# KiCad board TERES_PCB1-A64-MAIN_Rev.B.kicad_pcb (continued)
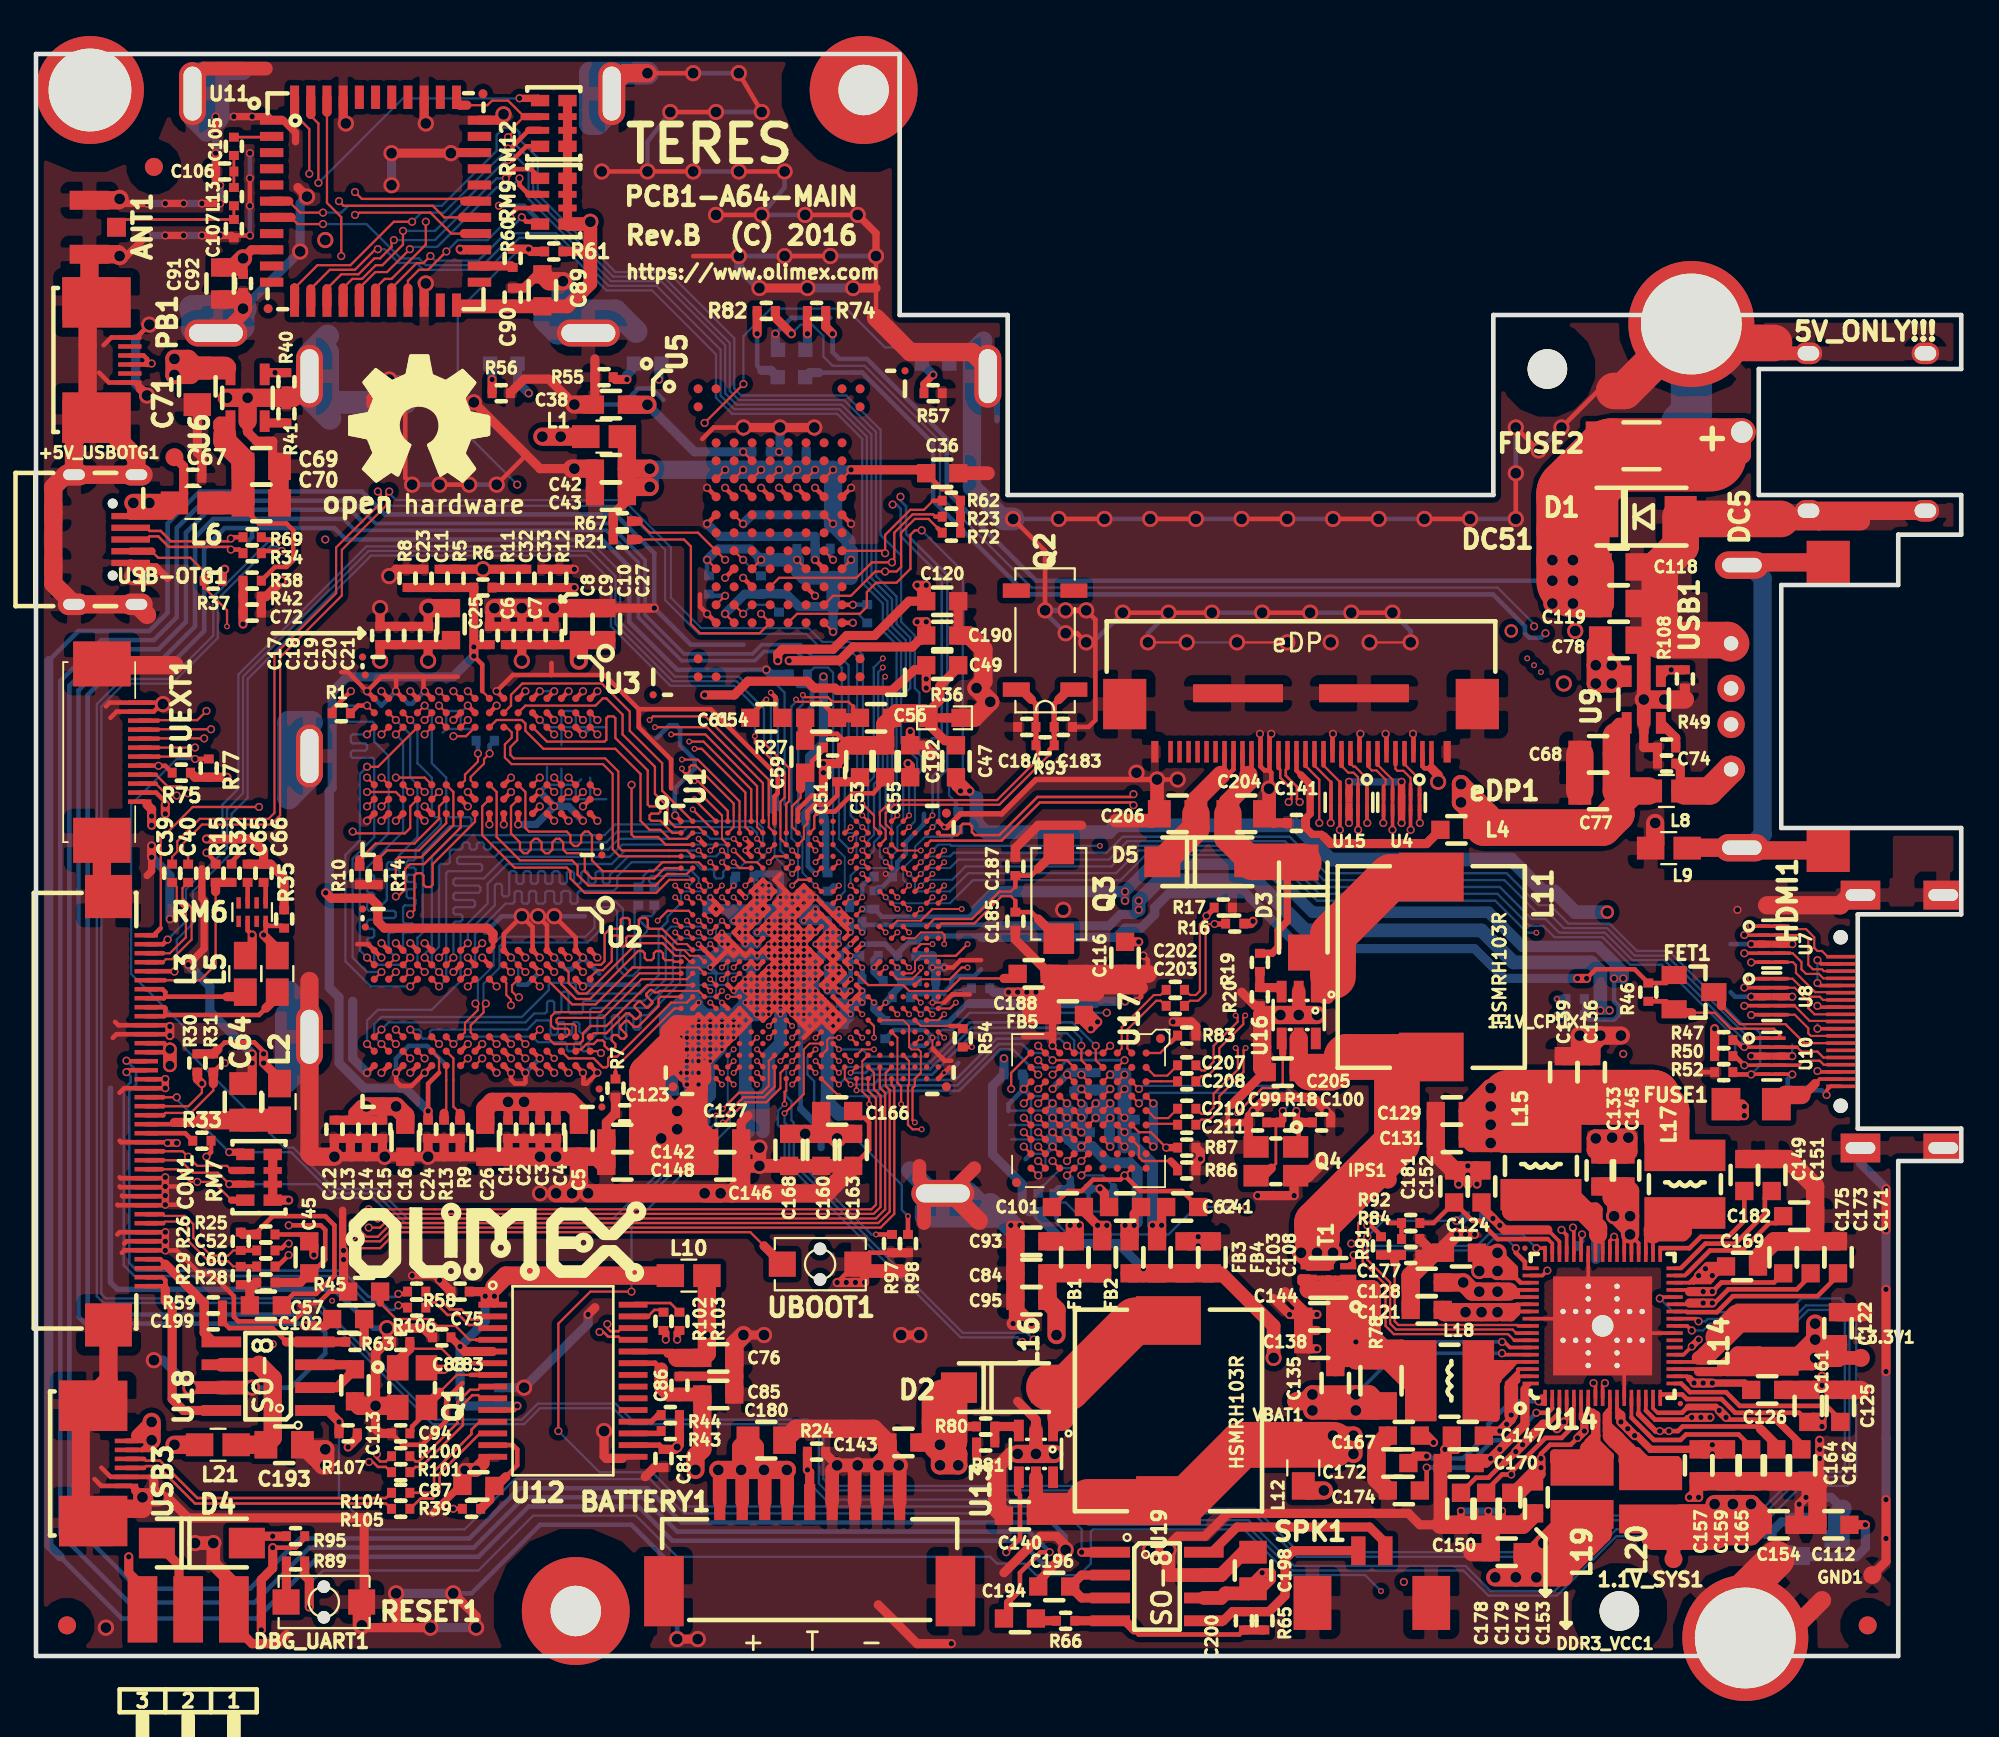
[diagram p0: board, top side]
## Routing (per net, layer and track width the routed paths; a pad name or vN(x,y) marks a point on that pad's centre or on a via; arc(x,y) is an arc through that point) (continued)
/NAND Flash , eMMC, T-Card and Audio/MICIN2_N: length 69.4
  Top w0.119: C40.1 8.46,44.41 8.17,44.69 8.17,45.13 9.23,46.19 13.06,46.19 13.57,46.71 13.57,55.48 17,58.91 17,61.45 19.48,63.93 19.48,64.54 v2(19.63,64.69)
  Top w0.127: U1.A17 v4(45.93,46.7)
  Bottom w0.107: 45.6,47.02 45.6,47.73
  Bottom w0.119: v2(19.63,64.69) 19.63,64.6 20.02,64.22 32.65,64.22 35.29,61.58 35.29,58.79 36.97,57.11 42.94,57.11 43.71,56.34 45.23,56.34 45.95,55.62 45.95,49.13 45.83,49.01 45.83,48.3 45.97,48.16 45.97,47.96 45.82,47.8 45.67,47.8 45.6,47.73
  Bottom w0.127: v4(45.93,46.7) 45.6,47.02
/NAND Flash , eMMC, T-Card and Audio/MICIN2_P: length 70.2
  Top w0.119: v2(19,64.69) 19.16,64.54 19.16,64.06 16.68,61.58 16.68,59.04 13.25,55.62 13.25,46.84 12.92,46.51 9.1,46.51 7.85,45.27 7.85,44.69 7.57,44.41 C39.1
  Top w0.127: U1.B17 v4(45.93,46.05)
  Bottom w0.119: v2(19,64.69) 19,64.66 19.76,63.9 32.52,63.9 34.97,61.45 34.97,58.66 36.84,56.79 42.81,56.79 43.57,56.02 45.1,56.02 45.64,55.48 45.64,49.27 45.51,49.14 45.51,48.4 45.28,48.16 45.28,47.67
  Bottom w0.127: v4(45.93,46.05) 45.28,46.7 45.28,47.67
/NAND Flash , eMMC, T-Card and Audio/SDC0-CLK: length 57.9
  Top w0.127: v4(40.07,32.4) U1.AC8
  Top w0.254: v2(9.47,27.74) 9.73,27.99 R33.2
  In3.Cu w0.107: 39.75,32.08 39.75,30.78
  In3.Cu w0.127: v2(9.47,27.74) 9.47,28.25 9.6,28.37 9.98,28.37 10.11,28.25 10.11,27.36 10.24,27.23 10.74,27.23 10.87,27.1 10.87,26.85 10.74,26.72 10.11,26.72 9.98,26.59 9.98,25.58 10.11,25.45 10.62,25.45 10.74,25.32 10.74,25.07 10.62,24.94 10.11,24.94 9.98,24.82 9.98,24.56 10.11,24.44 10.62,24.44 10.74,24.31 10.74,24.05 10.62,23.93 10.11,23.93 9.98,23.8 9.98,23.55 10.11,23.42 10.62,23.42 10.74,23.29 10.74,23.04 10.62,22.91 10.11,22.91 9.98,22.78 9.98,22.53 10.11,22.4 10.62,22.4 10.74,22.28 10.74,22.02 10.62,21.89 10.11,21.89 9.98,21.77 9.98,21.51 10.11,21.39 10.74,21.39 10.87,21.26 10.87,20.5 12.01,19.36 15.57,19.36 16.08,18.85 17.86,18.85 21.41,22.4 38.56,22.4 39.32,23.17 39.32,29.9 39.75,30.33 39.75,30.78 ; v4(40.07,32.4) 39.75,32.08
/NAND Flash , eMMC, T-Card and Audio/SDC0-CMD: length 54.4
  Top w0.127: 9.86,31.8 9.86,31.42 8.61,30.17 7.19,30.17 7.06,30.04 ; U1.W9 v4(40.72,34.35)
  Top w0.254: v2(10.49,32.94) 10.36,32.94 R31.1 ; 7.08,30.04 CON1.20
  Top w0.508: R31.1 9.86,31.8
  In3.Cu w0.107: 40.4,34.67 39.91,34.67 39.1,33.86 39.1,33.5 38.97,33.38 38.29,33.38 37.25,32.33
  In3.Cu w0.127: 37.25,32.33 37.25,31.55 36.4,30.7 36.4,28.63 32.33,24.56 20.4,24.56 17.22,21.39 13.16,21.39 12.78,21.77 12.78,29.13 10.62,31.29 10.62,32.82 v2(10.49,32.94) ; v4(40.72,34.35) 40.4,34.67
/NAND Flash , eMMC, T-Card and Audio/SDC0-D0: length 64.6
  Top w0.127: U1.W13 v4(43.32,34.35) ; 10.87,26.97 10.62,27.23 8.97,27.23 v2(8.46,27.74) 8.15,28.04 7.06,28.04
  Top w0.254: 6.99,28.04 7.06,28.04 CON1.16
  Top w0.406: 10.87,26.97 RM7.3.2
  In3.Cu w0.107: 41.05,32.08 41.05,33.86 41.86,34.67 42.35,34.67
  In3.Cu w0.127: 42.35,34.67 42.68,34.35 v4(43.32,34.35) ; 41.05,32.08 41.05,29.69 41.86,28.88 41.86,23.29 39.83,21.26 24.84,21.26 20.27,16.69 13.16,16.69 8.46,21.39 v2(8.46,27.74)
/NAND Flash , eMMC, T-Card and Audio/SDC0-D1: length 42.3
  Top w0.107: 41.38,32.4 41.38,31.55
  Top w0.127: v4(38.18,29.64) 38.3,29.64 39.42,30.76 40.59,30.76 41.38,31.55 ; U1.AB10 41.38,32.4 ; v2(10.74,26.21) 10.11,26.85 8.71,26.85 8.02,27.54 7.06,27.54
  Top w0.254: 7,27.54 7.06,27.54 CON1.15
  Top w0.406: v2(10.74,26.21) RM7.2.2
  Bottom w0.127: v2(10.74,26.21) 15.57,26.21 16.33,25.45 18.75,25.45 20.4,23.8 32.33,23.8 v4(38.18,29.64)
/NAND Flash , eMMC, T-Card and Audio/SDC0-D2: length 43.3
  Top w0.127: v2(7.82,31.04) 7.06,31.04 7.06,31.04 ; U1.AB9 41.05,31.63 40.46,31.04 39.32,31.04 38.3,30.02 v4(37.79,30.02)
  Top w0.254: 7.06,31.04 CON1.22
  Top w0.406: v2(10.74,27.99) 11.51,27.99 RM7.4.2
  Bottom w0.127: v4(37.79,30.02) 37.79,29.64 32.21,24.05 20.52,24.05 18.87,25.7 16.46,25.7 14.17,27.99 v2(10.74,27.99) 7.82,30.91 v2(7.82,31.04)
/NAND Flash , eMMC, T-Card and Audio/SDC0-D3: length 50.8
  Top w0.127: 7.06,30.54 8.47,30.54 9.22,31.29 v2(9.22,31.8) ; U1.AB6 v4(38.78,32.4)
  Top w0.254: 7.07,30.54 CON1.21
  Top w0.508: v2(9.22,31.8) 8.97,32.06 R30.1
  In3.Cu w0.107: 38.45,32.08 38.45,31.42
  In3.Cu w0.127: v2(9.22,31.8) 9.6,31.42 9.6,30.78 11.76,28.63 11.76,21.26 12.65,20.37 17.73,20.37 20.9,23.55 32.84,23.55 37.41,28.12 37.41,30.15 38.45,31.19 38.45,31.42 ; v4(38.78,32.4) 38.45,32.08
/NAND Flash , eMMC, T-Card and Audio/SDC0-DET#: length 58.3
  Top w0.127: U1.AB8 v4(40.07,33.05) ; 7,27.04 7.88,27.04 8.58,26.34 v2(8.97,26.34) 9.86,26.34 10.87,25.32
  Top w0.254: CON1.14 7,27.04
  Top w0.406: 10.87,25.32 RM7.1.2
  In3.Cu w0.107: U1.AB8 40.4,31.42
  In3.Cu w0.127: v4(40.07,33.05) U1.AB8 ; 40.4,31.42 40.4,29.58 41.35,28.63 41.35,23.8 39.32,21.77 24.59,21.77 20.02,17.2 18.98,17.2 14.05,17.2 13.41,17.83 12.39,17.83 8.97,21.26 v2(8.97,26.34)
/NAND Flash , eMMC, T-Card and Audio/SDC2-CLK: length 5.8
  Top w0.107: U1.G20 v4(48.53,42.8)
  Bottom w0.107: 48.2,43.12 48.2,43.77 48.85,44.42 48.85,44.95 49.3,45.4
  Bottom w0.127: 50.88,45.52 49.42,45.52 49.3,45.4 ; v4(48.53,42.8) 48.2,43.12
  Bottom w0.254: 50.88,45.52 R68.2
/NAND Flash , eMMC, T-Card and Audio/SDC2-CMD: length 42.8
  Top w0.107: 47.88,40.85 49.18,40.85 ; 49.82,41.5 v4(51.45,41.5)
  Top w0.127: 49.18,40.85 49.82,41.5 ; 33.48,62.03 36.02,62.03 36.4,61.65 36.4,57.33 36.91,56.82 40.22,56.82 U5.P5 v2(40.3,57.9) ; U1.K19 47.88,40.85
  Top w0.508: R21.1 33.48,62.03
  In3.Cu w0.127: v4(51.45,41.5) 52.65,42.7 52.65,48.31 52.15,48.82 48.21,48.82 46.69,50.34 46.69,51.36 44.53,53.52 44.53,55.17 43,56.69 41.51,56.69 v2(40.3,57.9)
/NAND Flash , eMMC, T-Card and Audio/SDC2-D0: length 44.1
  Top w0.107: 49.18,39.55 v4(49.82,39.55)
  Top w0.127: 33.48,63.04 34.11,62.41 36.79,62.41 U5.K2 ; U1.M21 49.18,39.55 ; U5.K2 37.79,61.39 ; U5.K2 v2(38.3,60.9)
  Top w0.508: R67.1 33.48,63.04
  In3.Cu w0.127: v4(49.82,39.55) 50.2,39.93 51,39.93 51.38,40.31 52.27,40.31 53.67,41.71 53.67,49.07 52.91,49.84 49.99,49.84 49.22,50.6 48.34,50.6 47.7,51.23 47.7,51.87 46.05,53.52 46.05,56.19 46.69,56.82 46.69,58.47 44.78,60.38 41.82,60.38 40.9,61.3 38.7,61.3 v2(38.3,60.9)
/NAND Flash , eMMC, T-Card and Audio/SDC2-D1: length 38.5
  Top w0.107: U1.L19 v4(47.88,40.2)
  Top w0.127: U5.N2 v2(38.3,58.9)
  In3.Cu w0.127: v4(47.88,40.2) 48.24,40.56 50.88,40.56 51.13,40.82 51.89,40.82 53.16,42.09 53.16,48.82 52.65,49.33 49.73,49.33 48.97,50.09 48.08,50.09 47.19,50.98 47.19,51.61 45.54,53.26 45.54,56.44 46.18,57.07 46.18,58.22 45.49,58.9 44.7,58.9 44.2,58.4 43,58.4 42.5,58.9 v2(38.3,58.9)
  Bottom w0.254: v2(38.3,58.9) 37.49,58.9 R79.1
/NAND Flash , eMMC, T-Card and Audio/SDC2-D2: length 38.4
  Top w0.127: v2(39.3,60.9) U5.K3 ; U1.K20 v4(48.53,40.2)
  In3.Cu w0.127: v4(48.53,40.2) 50.89,40.2 51.26,40.56 52.02,40.56 53.42,41.96 53.42,47.32 53.42,48.95 52.78,49.58 49.86,49.58 49.1,50.34 48.21,50.34 47.45,51.1 47.45,51.74 45.8,53.39 45.8,56.31 46.43,56.95 46.43,58.34 44.65,60.12 41.6,60.12 41.33,60.4 39.8,60.4 v2(39.3,60.9)
  Bottom w0.127: R76.1 40.19,60.01 v2(39.3,60.9)
/NAND Flash , eMMC, T-Card and Audio/SDC2-D3: length 31.8
  Top w0.107: U1.H20 v4(48.53,41.5)
  Top w0.127: U5.N3 v2(39.3,57.9)
  In3.Cu w0.107: v4(48.53,41.5) 48.85,41.83 50.8,41.83
  In3.Cu w0.127: v2(39.3,57.9) 40.76,56.44 42.88,56.44 44.27,55.04 44.27,53.39 46.43,51.23 46.43,50.22 48.08,48.56 51.64,48.56 52.02,48.56 52.4,48.18 52.4,43.23 50.99,41.83 50.8,41.83
  Bottom w0.127: R73.1 40.89,58.4 39.8,58.4 v2(39.3,57.9)
/NAND Flash , eMMC, T-Card and Audio/SDC2-D4: length 43.3
  Top w0.127: U5.N8 44.3,58.9 45.29,58.9 46.64,60.25 v2(47.19,60.25) 47.83,60.25 48.08,60.5 48.08,62.41 48.84,63.17 49.61,63.17 50.11,62.66 ; 46.9,37.92 v4(47.22,38.25)
  Top w0.254: R72.1 50.11,62.66
  In3.Cu w0.107: 47.88,38.9 52.1,38.9
  In3.Cu w0.127: v4(47.22,38.25) 47.88,38.9 ; 52.1,38.9 52.9,38.9 54.69,40.69 54.69,49.58 53.42,50.85 50.5,50.85 47.96,53.39 47.96,59.49 v2(47.19,60.25)
/NAND Flash , eMMC, T-Card and Audio/SDC2-D5: length 35
  Top w0.107: 50.5,40.06 50.35,40.2 49.18,40.2 48.85,39.88 U1.L20
  Top w0.127: 50.5,40.06 50.5,39.57 v4(50.47,39.55) ; U5.K8 v2(44.3,60.9)
  In3.Cu w0.127: v2(44.3,60.9) 44.44,60.76 44.78,60.76 46.94,58.6 46.94,56.69 46.3,56.06 46.3,53.65 47.96,51.99 47.96,51.36 48.46,50.85 49.35,50.85 50.11,50.09 53.03,50.09 53.92,49.2 53.92,41.45 52.53,40.06 51.51,40.06 51,39.55 v4(50.47,39.55)
  Bottom w0.254: v2(44.3,60.9) 44.15,61.05 R71.1
/NAND Flash , eMMC, T-Card and Audio/SDC2-D6: length 28.4
  Top w0.107: U1.J21 v4(49.18,41.5)
  Top w0.254: U5.N9 v2(45.4,58.4)
  In3.Cu w0.127: v2(45.4,58.4) 45.92,57.88 45.92,57.2 45.29,56.57 45.29,53.14 46.94,51.49 46.94,50.47 48.34,49.07 52.4,49.07 52.91,48.57 52.91,42.34 51.64,41.07 51.23,41.07 50.8,41.5 v4(49.18,41.5)
  Bottom w0.254: v2(45.4,58.4) 45.41,58.41 R70.1
/NAND Flash , eMMC, T-Card and Audio/SDC2-D7: length 41.5
  Top w0.107: 49.18,37.6 50.47,37.6
  Top w0.127: 50.47,37.6 50.8,37.6 51.45,38.25 v4(51.78,38.25) ; 49.86,64.19 49.35,63.68 48.59,63.68 47.19,62.28 v2(47.19,61.27) 47.06,61.4 U5.K9 ; U1.R21 49.18,37.6
  Top w0.254: R62.1 49.86,64.19
  In3.Cu w0.127: v4(51.78,38.25) 53.26,38.25 55.19,40.18 55.19,49.84 53.67,51.36 50.75,51.36 48.46,53.65 48.46,60.76 47.96,61.27 v2(47.19,61.27)
/NAND Flash , eMMC, T-Card and Audio/SDC2-RST: length 45
  Top w0.127: U5.M5 41.3,59.9 45.6,59.9 46.46,60.76 v2(47.57,60.76) 47.7,60.88 47.7,62.41 48.72,63.42 49.86,63.42 49.99,63.3 ; U1.N20 v4(48.53,38.25)
  Top w0.254: R23.1 49.99,63.3
  In3.Cu w0.107: 48.85,38.58 52.1,38.58
  In3.Cu w0.127: 52.1,38.58 53.08,38.58 54.94,40.44 54.94,49.71 53.54,51.1 50.62,51.1 48.21,53.52 48.21,60.12 v2(47.57,60.76) ; v4(48.53,38.25) 48.85,38.58
/NAND Flash , eMMC, T-Card and Audio/SPKR_N: length 8.2
  Top w0.254: CON1.4 6.91,22.04 7.19,21.77 6.96,21.54 CON1.3
  Top w0.508: 7.19,21.77 9.35,19.61 R59.1 C199.1 9.35,17.96 9.86,17.45 U18.5
/NAND Flash , eMMC, T-Card and Audio/SPKR_P: length 12
  Top w0.254: 7.19,20.62 7.11,20.54 CON1.1 ; 7.19,20.62 7.19,20.88 7.02,21.04 CON1.2 ; 7.19,20.62 7.19,20.37
  Top w0.508: 7.19,20.37 7.19,19.74 7.57,19.36 7.57,14.28 8.2,13.64 U18.8
/Power Supply, Extensions and MiPi-DSI/DC5SET: length 18.4
  Top w0.127: 75.13,24.05 74.75,24.44 73.86,24.44 73.48,24.05 73.48,23.17 73.74,22.91 73.74,21.89 75.01,20.62 75.01,18.34 75.46,17.88 81.81,17.88 82.16,17.54
  Top w0.203: U14.62 82.16,17.54
  Top w0.254: 75.9,23.17 75.9,24.05 75.13,24.05
/Power Supply, Extensions and MiPi-DSI/HS_DAT: length 80
  Top w0.107: v4(47.88,42.15) U1.G19
  Top w0.127: 6.66,48.97 7.31,48.31 8.08,48.31 v2(8.46,47.93)
  Top w0.254: EUEXT1.4 6.66,48.97
  In3.Cu w0.107: 48.2,42.48 48.2,43 48.32,43.12 50.8,43.12
  In3.Cu w0.127: 50.8,43.12 51.28,43.12 51.89,43.74 51.89,47.04 51.64,47.3 47.7,47.3 45.16,49.84 45.16,50.6 43,52.76 43,55.17 42.37,55.8 39.83,55.8 38.81,56.82 37.29,56.82 35.89,58.22 35.89,58.85 34.87,59.87 34.87,62.66 30.81,66.73 27.25,66.73 27,66.47 18.62,66.47 14.68,62.53 14.68,57.33 10.74,53.39 10.74,50.6 8.46,48.31 v2(8.46,47.93) ; 48.2,42.48 v4(47.88,42.15)
/Power Supply, Extensions and MiPi-DSI/HS_STR: length 80.9
  Top w0.107: v4(47.88,41.5) U1.H19
  Top w0.127: v2(7.82,47.8) 7.31,47.8 6.65,48.47
  Top w0.254: EUEXT1.3 6.65,48.47
  In3.Cu w0.107: 49.5,42.48 50.8,42.48
  In3.Cu w0.127: 49.5,42.48 49.18,42.15 48.53,42.15 v4(47.88,41.5) ; v2(7.82,47.8) 7.82,48.06 10.49,50.72 10.49,53.52 14.43,57.45 14.43,62.66 18.49,66.73 26.87,66.73 27.13,66.98 31.06,66.98 35.13,62.92 35.13,60.12 36.14,59.11 36.14,58.34 37.41,57.07 39.06,57.07 40.08,56.06 42.49,56.06 43.26,55.3 43.26,52.88 45.41,50.72 45.41,49.96 47.83,47.55 51.89,47.55 52.15,47.3 52.15,43.5 51.12,42.48 50.8,42.48
/Power Supply, Extensions and MiPi-DSI/LIDSW: length 104.4
  Top w0.127: v2(29.03,12.5) 29.03,18.47 30.81,20.24 v2(33.1,20.24) ; U1.V9 v4(40.72,35)
  In3.Cu w0.107: v4(38.78,33.7) 38.78,33.86 39.91,35
  In3.Cu w0.127: v4(40.72,35) 39.91,35
  Bottom w0.107: 38.45,33.38 38.45,30.78
  Bottom w0.127: 38.45,30.78 38.56,30.67 38.56,29.39 33.1,23.93 v2(33.1,20.24) ; 96.22,6.66 87.83,6.66 84.53,3.35 80.72,3.35 79.32,4.75 69.8,4.75 67.26,7.29 58.5,7.29 57.48,8.31 36.14,8.31 34.24,10.21 31.32,10.21 v2(29.03,12.5) ; v4(38.78,33.7) 38.45,33.38
  Bottom w0.305: 96.09,6.66 96.22,6.66 R110.1
  Bottom w0.508: R110.1 97.01,7.45 HALLSW1.2 97.65,7.45
/R_S0SCK_N: length 5
  Top w0.127: U1.G3 v4(36.82,42.8)
  Bottom w0.119: v4(36.82,42.8) 36.82,43.22 36.38,43.66 34.08,43.66 33.76,43.34 33.76,43.03 33.48,42.75 R4.2
/R_S0SCK_P: length 4.1
  Top w0.127: U1.G2 v4(36.18,42.8)
  Bottom w0.119: R3.2 34.37,42.75 34.08,43.03 34.08,43.21 34.21,43.34 36.25,43.34 36.47,43.12 36.47,42.97 36.3,42.8 v4(36.18,42.8)
/S0SA0: length 46.7
  Top w0.127: U3.N3 19,49.4 v2(18.4,49.4) ; v4(38.12,37.6) 38.45,37.92 ; U2.N3 v2(20.8,37.2)
  In3.Cu w0.107: 37.1,37.92 37.8,37.92
  In3.Cu w0.127: 37.8,37.92 v4(38.12,37.6) ; 37.1,37.92 34.2,37.92 34.1,37.83 34.1,37.6 34,37.5 33.8,37.5 33.7,37.6 33.7,37.9 33.6,38 33.4,38 33.3,37.9 33.3,37.1 33.2,37 33,37 32.9,37.1 32.9,37.9 32.8,38 32.6,38 32.5,37.9 32.5,37.1 32.4,37 32.2,37 32.1,37.1 32.1,37.9 32,38 31.8,38 31.7,37.9 31.7,37.1 31.6,37 31.4,37 31.3,37.1 31.3,37.9 31.2,38 31,38 30.9,37.9 30.9,37.7 30.8,37.6 28.5,37.6 28.4,37.5 28.4,36.8 26.9,35.3 21.6,35.3 20.8,36.1 v2(20.8,37.2)
  Bottom w0.127: v2(18.4,49.4) 18,49 18,45.3 17.2,44.5 17.2,38.6 18.6,37.2 v2(20.8,37.2)
/S0SA1: length 47
  Top w0.127: U2.P7 v2(20,34.8) ; v2(20.8,48) U3.P7 ; v4(37.47,37.6) U1.R4
  In3.Cu w0.127: v2(20.8,48) 20.8,46 20.7,45.9 20.3,45.9 20.2,45.8 20.2,45.6 20.3,45.5 20.7,45.5 20.8,45.4 20.8,45.2 20.7,45.1 20.3,45.1 20.2,45 20.2,44.8 20.3,44.7 20.7,44.7 20.8,44.6 20.8,44.3 20.7,44.2 19.6,44.2 18.6,43.2 18.6,42.1 17.2,40.7 17.2,37.7 18.4,36.5 19.2,36.5 20,35.7 v2(20,34.8) 20.42,34.38 20.98,34.38 21.6,35 27.1,35 28,35.9 28.6,35.9 28.7,36 28.7,37.1 28.8,37.2 29,37.2 29.1,37.1 29.1,36 29.2,35.9 29.4,35.9 29.5,36 29.5,37.1 29.6,37.2 29.8,37.2 29.9,37.1 29.9,36 30,35.9 30.2,35.9 30.3,36 30.3,36.6 30.4,36.7 30.6,36.7 30.7,36.6 30.7,36 30.8,35.9 31,35.9 31.1,36 31.1,36.5 31.2,36.6 31.4,36.6 31.5,36.5 31.5,36 31.6,35.9 31.8,35.9 31.9,36 31.9,36.5 32,36.6 33.7,36.6 34.7,37.6 v4(37.47,37.6)
/S0SA2: length 46.5
  Top w0.127: v2(20.8,38) U2.P3 ; U1.N5 v4(38.12,38.25) ; U3.P3 v2(20,51.2)
  In3.Cu w0.107: 37.8,38.58 37.15,38.58
  In3.Cu w0.127: v4(38.12,38.25) 37.8,38.58 ; v2(20.8,38) 21.2,37.6 21.2,37.1 22.7,35.6 26.8,35.6 27.6,36.4 27.6,38.2 27.8,38.4 31.6,38.4 31.7,38.5 31.7,39.1 31.8,39.2 32,39.2 32.1,39.1 32.1,38.5 32.2,38.4 32.4,38.4 32.5,38.5 32.5,39.1 32.6,39.2 32.8,39.2 32.9,39.1 32.9,38.5 33,38.4 33.2,38.4 33.3,38.5 33.3,39.1 33.4,39.2 33.6,39.2 33.7,39.1 33.7,38.5 33.8,38.4 34,38.4 34.1,38.5 34.1,39.1 34.2,39.2 34.4,39.2 34.5,39.1 34.5,38.5 34.6,38.4 36.97,38.4 37.15,38.58
  Bottom w0.127: v2(20,51.2) 20.4,50.8 20.4,45.8 18.4,43.8 18.4,43.5 18.5,43.4 18.7,43.4 18.8,43.3 18.8,43 18.7,42.9 18.5,42.9 18.4,42.8 18.4,42.5 18.5,42.4 18.7,42.4 18.8,42.3 18.8,42 18.7,41.9 18.5,41.9 18.4,41.8 18.4,41.5 18.5,41.4 18.7,41.4 18.8,41.3 18.8,41 18.7,40.9 18.5,40.9 18.4,40.8 18.4,40.5 18.5,40.4 18.7,40.4 18.8,40.3 18.8,40 18.7,39.9 18.5,39.9 18.4,39.8 18.4,39.5 18.5,39.4 18.7,39.4 18.8,39.3 18.8,38.6 19,38.4 20.4,38.4 v2(20.8,38)
/S0SA3: length 46.5
  Top w0.127: v2(21.6,52.8) U3.N2 ; U1.N6 v4(38.78,38.25) ; U2.N2 v2(21.6,38)
  In3.Cu w0.127: v2(21.6,38) 21.6,37.2 22,36.8 26,36.8 26.8,37.6 26.8,39 27,39.2 31.2,39.2 31.6,39.6 32,39.6 32.1,39.7 32.1,40.3 32.2,40.4 32.4,40.4 32.5,40.3 32.5,39.7 32.6,39.6 32.8,39.6 32.9,39.7 32.9,40.3 33,40.4 33.2,40.4 33.3,40.3 33.3,39.7 33.4,39.6 33.6,39.6 33.7,39.7 33.7,40.3 33.8,40.4 34,40.4 34.1,40.3 34.1,39.7 34.2,39.6 34.4,39.6 34.5,39.7 34.5,40.2 34.6,40.3 34.9,40.3 35,40.2 35,39 35.1,38.9 38.12,38.9 v4(38.78,38.25)
  Bottom w0.127: v2(21.6,52.8) 22,52.4 22,49.6 22.8,48.8 22.8,46.8 23,46.6 24.1,46.6 24.2,46.5 24.2,46.2 24.1,46.1 23,46.1 21.5,44.6 21.5,40.2 21.2,39.9 U2.N2 v2(21.6,38)
/S0SA4: length 47
  Top w0.127: v2(18.4,48) 20,48 U3.P8 ; v2(20.8,33.2) U2.P8 ; 39.1,37.92 v4(38.78,37.6)
  In2.Cu w0.127: v2(18.4,48) 17.1,46.7 17.1,37.6 19.6,35.1 19.6,33.6 20,33.2 v2(20.8,33.2)
  In3.Cu w0.107: 38.45,37.27 37.1,37.27
  In3.Cu w0.127: 37.1,37.27 34.9,37.27 33.93,36.3 32.4,36.3 32.3,36.2 32.3,35.7 32.1,35.5 32.1,34.9 32,34.8 31.8,34.8 31.7,34.9 31.7,35.4 31.6,35.5 31.4,35.5 31.3,35.4 31.3,34.9 31.2,34.8 31,34.8 30.9,34.9 30.9,35.4 30.8,35.5 30.6,35.5 30.5,35.4 30.5,34.9 30.4,34.8 30.2,34.8 30.1,34.9 30.1,35.4 30,35.5 29.8,35.5 29.7,35.4 29.7,34.9 29.6,34.8 29.4,34.8 29.3,34.9 29.3,35.4 29.2,35.5 29,35.5 28.9,35.4 28.9,34.9 28.8,34.8 28.6,34.8 28.5,34.9 28.5,35.4 28.4,35.5 28.1,35.5 27.3,34.7 21.8,34.7 21.4,34.3 21.4,34 21.3,33.9 20.9,33.9 20.8,33.8 v2(20.8,33.2) ; v4(38.78,37.6) 38.45,37.27
/S0SA5: length 46.6
  Top w0.127: v2(20.8,52) U3.P2 ; U1.G4 v4(38.12,42.8) ; v2(20.8,38.8) U2.P2
  In3.Cu w0.107: 35.28,42.48 U1.G4
  In3.Cu w0.127: 35.28,42.48 35.1,42.3 34.9,42.3 34.8,42.4 34.8,42.8 34.7,42.9 34.5,42.9 34.4,42.8 34.4,42.4 34.3,42.3 34.1,42.3 34,42.4 34,42.8 33.9,42.9 33.7,42.9 33.6,42.8 33.6,42.4 33.5,42.3 33.3,42.3 33.2,42.4 33.2,42.8 33.1,42.9 32.9,42.9 32.8,42.8 32.8,42.4 32.7,42.3 32.5,42.3 32.4,42.4 32.4,42.8 32.3,42.9 32.1,42.9 32,42.8 32,42.4 31.9,42.3 31.7,42.3 31.6,42.4 31.6,42.8 31.5,42.9 31.3,42.9 31.2,42.8 31.2,42.4 31.1,42.3 30.9,42.3 30.8,42.4 30.8,42.8 30.7,42.9 30.5,42.9 30.4,42.8 30.4,42.4 30.3,42.3 25.4,42.3 25.22,42.12 25.22,39.42 25,39.2 21.2,39.2 v2(20.8,38.8) ; U1.G4 v4(38.12,42.8)
  Bottom w0.127: v2(20.8,38.8) 20.4,39.2 20.4,40.1 20.5,40.2 20.9,40.2 21,40.3 21,40.6 20.9,40.7 20.5,40.7 20.4,40.8 20.4,41.6 20.5,41.7 21,41.7 21.1,41.8 21.1,42 21,42.1 20.7,42.1 20.6,42.2 20.6,42.5 20.7,42.6 21,42.6 21.1,42.7 21.1,42.9 21,43 20.7,43 20.6,43.1 20.6,43.3 20.7,43.4 21,43.4 21.1,43.5 21.1,43.7 21,43.8 20.7,43.8 20.6,43.9 20.6,44.1 20.7,44.2 21,44.2 21.1,44.3 21.1,44.8 22.5,46.2 22.5,46.5 22.4,46.6 22.2,46.6 22,46.8 22,48.8 21.2,49.6 21.2,51.6 v2(20.8,52)
/S0SA6: length 46.6
  Top w0.127: U3.R8 v2(19.2,47.2) ; v4(37.47,42.8) U1.F3 ; U2.R8 v2(19.2,34)
  In3.Cu w0.127: v2(19.2,47.2) 18.8,46.8 18.8,45.9 18.9,45.8 19.1,45.8 19.2,45.7 19.2,45.4 19.1,45.3 17.9,45.3 17.8,45.2 17.8,44.9 17.9,44.8 18.4,44.8 18.5,44.7 18.5,44.4 18.4,44.3 17.9,44.3 17.8,44.2 17.8,42.5 17.7,42.4 17.5,42.4 17.4,42.5 17.4,42.8 17.3,42.9 17.1,42.9 17,42.8 17,41.7 16.4,41.1 16.4,37.3 18.1,35.6 18.1,35.1 v2(19.2,34)
  Bottom w0.107: 35.85,41.83 35.85,42.35 35.97,42.48 37.15,42.48
  Bottom w0.127: 37.15,42.48 v4(37.47,42.8) ; v2(19.2,34) 18.8,34.4 18.8,35.1 19.2,35.5 27,35.5 28.5,37 28.5,37.3 28.6,37.4 29.9,37.4 30,37.3 30,36.9 30.1,36.8 33.6,36.8 34.6,37.8 34.6,40.3 35.1,40.8 35.1,41.08 35.85,41.83
/S0SA7: length 46.6
  Top w0.127: v2(20,52) U3.R2 ; U1.E4 v4(37.47,44.1) ; v2(20,38.8) U2.R2
  In3.Cu w0.127: v4(37.47,44.1) 36.3,44.1 36.2,44.2 33.6,44.2 33.2,43.8 24.6,43.8 24.4,43.6 24.4,40.2 24.3,40.1 24,40.1 23.9,40.2 23.9,41.2 23.8,41.3 23.5,41.3 23.4,41.2 23.4,40.2 23.3,40.1 23,40.1 22.9,40.2 22.9,41.2 22.8,41.3 22.5,41.3 22.4,41.2 22.4,40.2 22.3,40.1 20.6,40.1 20.4,39.9 20.4,39.2 v2(20,38.8)
  Bottom w0.127: v2(20,38.8) 19.6,39.2 19.6,40.1 19.7,40.2 19.9,40.2 20,40.3 20,40.5 19.9,40.6 19.3,40.6 19.2,40.7 19.2,40.9 19.3,41 19.9,41 20,41.1 20,41.3 19.9,41.4 19.3,41.4 19.2,41.5 19.2,41.7 19.5,42 19.5,43.2 19.6,43.3 20.1,43.3 20.2,43.4 20.2,43.6 20.1,43.7 19.6,43.7 19.5,43.8 19.5,44 19.6,44.1 20.1,44.1 20.2,44.2 20.2,44.5 21.2,45.5 21.2,48.4 20.8,48.8 20.8,51.2 v2(20,52)
/S0SA8: length 46.5
  Top w0.127: v2(18.4,34) U2.T8 ; 37.15,44.42 v4(36.82,44.75) ; v2(18.4,47.2) U3.T8
  In3.Cu w0.127: v2(18.4,34) 17.7,34.7 17.7,35.4 16,37.1 16,41.3 16.6,41.9 16.6,43.1 17.1,43.6 17.1,46.2 17.3,46.4 17.3,48.7 17.5,48.9 17.7,48.9 17.9,48.7 17.9,47.3 18,47.2 v2(18.4,47.2)
  Bottom w0.127: v2(18.4,34) 18.4,35.3 19,35.9 22,35.9 23.6,37.5 23.6,40.3 25.1,41.8 25.1,42.9 26.2,44 32,44 32.75,44.75 v4(36.82,44.75)
/S0SA9: length 47
  Top w0.127: U1.C4 v4(37.47,44.75) ; U3.R3 v2(19.2,51.2) ; v2(20,38) U2.R3
  In3.Cu w0.107: 37.15,44.42 36.5,44.42
  In3.Cu w0.127: v4(37.47,44.75) 37.15,44.42 ; 36.5,44.42 36.32,44.6 33.4,44.6 33,44.2 24.3,44.2 24,43.9 24,41.8 23.9,41.7 23.6,41.7 23.5,41.8 23.5,42.3 23.4,42.4 23.1,42.4 23,42.3 23,41.8 22.9,41.7 22.6,41.7 22.5,41.8 22.5,42.3 22.4,42.4 22.1,42.4 22,42.3 22,40.6 21.9,40.5 20.2,40.5 19.6,39.9 19.6,38.4 v2(20,38) 19.5,37.5 18.6,37.5 18,38.1 18,40.3 19.4,41.7 19.4,42.9 20,43.5 21.2,43.5 22,44.3 22,48.4 v2(19.2,51.2)
/S0SA10: length 46.6
  Top w0.127: v2(20,42.8) 20,44.23 20.14,44.37 21.42,44.37 23.2,46.15 23.2,48 U3.L7 ; v4(37.47,39.55) U1.M4 ; U2.L7 v2(23.2,34)
  In2.Cu w0.127: v2(20,42.8) 19.58,42.8 18.8,42.02 18.8,37.8 20.3,36.3 20.9,36.3 v2(23.2,34)
  Bottom w0.107: 35.93,39.23 37.15,39.23
  Bottom w0.127: v2(23.2,34) 23.62,34.42 27.58,34.42 27.9,34.1 29.4,34.1 29.5,34 29.5,33.7 29.6,33.6 29.8,33.6 29.9,33.7 29.9,34 30,34.1 30.2,34.1 30.3,34 30.3,33.7 30.4,33.6 30.6,33.6 30.7,33.7 30.7,34.1 31.2,34.6 31.2,35.5 31.3,35.6 31.5,35.6 31.6,35.5 31.6,34.4 31.7,34.3 31.9,34.3 32,34.4 32,35.5 32.1,35.6 32.3,35.6 32.4,35.5 32.4,34.4 32.5,34.3 32.7,34.3 32.8,34.4 32.8,35.5 32.9,35.6 33.1,35.6 33.2,35.5 33.2,34.9 33.3,34.8 33.5,34.8 33.6,34.9 33.6,35.5 33.7,35.6 34,35.6 35.8,37.4 35.8,39.1 35.93,39.23 ; 37.15,39.23 v4(37.47,39.55)
/S0SA11: length 47.2
  Top w0.127: U2.R7 v2(20,34) ; U3.R7 v2(19.2,48.8) ; v4(37.47,36.3) U1.U4
  In3.Cu w0.107: 37.15,35.97 36.53,35.97
  In3.Cu w0.127: v4(37.47,36.3) 37.15,35.97 ; v2(19.2,48.8) U3.R7 19.6,44.8 18.2,43.4 18.2,42.3 16.8,40.9 16.8,37.5 18.2,36.1 19,36.1 19.1,36 19.1,35.8 19,35.7 18.6,35.7 18.5,35.6 18.5,35.4 18.6,35.3 19.5,35.3 19.6,35.2 U2.R7 v2(20,34) 20.4,33.6 20.4,33 20.6,32.8 21.9,32.8 22,32.7 22,30.9 22.1,30.8 22.3,30.8 22.4,30.9 22.4,31.3 22.5,31.4 22.7,31.4 22.8,31.3 22.8,31 22.9,30.9 23.1,30.9 23.2,31 23.2,31.3 23.3,31.4 23.5,31.4 23.6,31.3 23.6,31 23.7,30.9 23.9,30.9 24,31 24,31.3 24.1,31.4 24.3,31.4 24.4,31.3 24.4,31 24.5,30.9 24.7,30.9 24.8,31 24.8,32.7 24.9,32.8 32.51,32.8 35.1,35.39 35.1,36 35.3,36.2 36.3,36.2 36.53,35.97
/S0SA12: length 46.6
  Top w0.127: v4(38.12,40.85) U1.K5 ; v2(21.6,48) U3.N7 ; U2.N7 v2(20.8,34.8)
  In3.Cu w0.127: v2(20.8,34.8) 20.4,35.2 20.4,36.2 19.7,36.9 18.6,36.9 17.6,37.9 17.6,40.5 19,41.9 19,43 19.8,43.8 21,43.8 21.2,44 21.2,44.3 21.3,44.4 21.6,44.4 21.7,44.5 21.7,44.8 21.6,44.9 21.3,44.9 21.2,45 21.2,45.3 21.3,45.4 21.6,45.4 21.7,45.5 21.7,45.8 21.6,45.9 21.3,45.9 21.2,46 21.2,47.6 v2(21.6,48)
  Bottom w0.107: 37.8,40.52 37.8,40 37.68,39.88 35.7,39.88
  Bottom w0.127: 37.8,40.52 v4(38.12,40.85) ; 35.7,39.88 35.4,39.58 35.4,37.5 33.9,36 30.9,36 30.8,35.9 30.8,34.9 30.5,34.6 30.3,34.6 30.2,34.7 30.2,35.12 30.1,35.22 29.9,35.22 29.8,35.12 29.8,34.6 29.7,34.5 29.5,34.5 29.4,34.6 29.4,35.12 29.3,35.22 29.1,35.22 29,35.12 29,34.6 28.9,34.5 28.7,34.5 28.6,34.6 28.6,35.22 28.5,35.32 27.82,35.32 27.3,34.8 22,34.8 21.9,34.7 21.9,34.4 21.8,34.3 21.5,34.3 21.4,34.4 21.4,34.7 21.3,34.8 v2(20.8,34.8)
/S0SA13: length 46.5
  Top w0.107: 40.07,44.1 39.43,44.1
  Top w0.127: 39.43,44.1 v4(38.78,44.75) ; U3.T3 v2(18.4,51.2) ; v2(19.2,38) U2.T3 ; U1.E8 40.07,44.1
  In3.Cu w0.107: 38.45,45.08 36.5,45.08
  In3.Cu w0.127: v2(19.2,38) 18.8,38.4 18.8,39.8 21.8,42.8 23.4,42.8 23.6,43 23.6,44.1 24.1,44.6 32.8,44.6 33.2,45 36.43,45 36.5,45.08 ; v4(38.78,44.75) 38.45,45.08
  Bottom w0.127: v2(18.4,51.2) 17.6,51.2 17.5,51.1 17.5,50.8 17.6,50.7 18.3,50.7 18.4,50.6 18.4,50.4 18.3,50.3 17.6,50.3 17.5,50.2 17.5,50 17.6,49.9 18.7,49.9 18.8,49.8 18.8,45.5 17.6,44.3 17.6,38.8 18.4,38 v2(19.2,38)
/S0SA14: length 46.4
  Top w0.127: v4(37.47,40.2) U1.K4 ; v2(18.4,48.8) U3.T7 ; U2.T7 v2(19.2,34.8)
  In2.Cu w0.127: v2(18.4,48.8) 16.7,47.1 16.7,36.9 16.8,36.8 17.2,36.8 17.3,36.7 17.3,36.4 17.2,36.3 16.8,36.3 16.7,36.2 16.7,35.9 16.8,35.8 18.2,35.8 18.3,35.7 18.3,35.4 18.2,35.3 17.9,35.3 17.8,35.2 17.8,34.9 17.9,34.8 v2(19.2,34.8)
  Bottom w0.107: 37.15,40.52 35.3,40.52
  Bottom w0.127: 35.3,40.52 35,40.23 35,37.6 33.8,36.4 30.5,36.4 30.4,36.3 30.4,35.8 30.3,35.7 29.7,35.7 29.6,35.8 29.6,36.8 29.5,36.9 29.3,36.9 29.2,36.8 29.2,35.8 29.1,35.7 28.9,35.7 28.8,35.8 28.8,36.3 28.7,36.4 28.5,36.4 28.4,36.3 28.4,35.8 28.3,35.7 27.7,35.7 27.2,35.2 19.6,35.2 v2(19.2,34.8) ; v4(37.47,40.2) 37.15,40.52
/S0SA15: length 47.2
  Top w0.127: v2(20,48.8) 21.6,48.8 U3.M7 ; v4(38.12,36.95) U1.T4 ; U2.M7 v2(22.4,34)
  In2.Cu w0.127: v2(20,48.8) 18.8,47.6 18.8,46.1 18,45.3 18,38.1 20.2,35.9 20.5,35.9 v2(22.4,34)
  In3.Cu w0.107: 36.5,36.62 U1.T4
  In3.Cu w0.127: U1.T4 v4(38.12,36.95) ; 36.5,36.62 35.22,36.62 34.7,36.1 34.7,35.53 32.28,33.1 29.5,33.1 29,33.6 24.5,33.6 24.4,33.5 24.4,31.9 24.3,31.8 24.1,31.8 24,31.9 24,32.6 23.9,32.7 23.7,32.7 23.6,32.6 23.6,31.9 23.5,31.8 23.3,31.8 23.2,31.9 23.2,33.4 23.1,33.5 22.9,33.5 22.8,33.4 22.8,31.9 22.7,31.8 22.5,31.8 22.4,31.9 v2(22.4,34)
